# Altium PCB MCC17.PcbDoc (part 5 of 5)
Units mm, origin at the board's own origin, x right, y up, seen from the top; angles counter-clockwise.
Board outline 170 x 100 mm, 2 copper layers (Top Layer, Bottom Layer), stack 1.571 mm thick; 112 components, 68 nets, 349 pads, 74 vias.
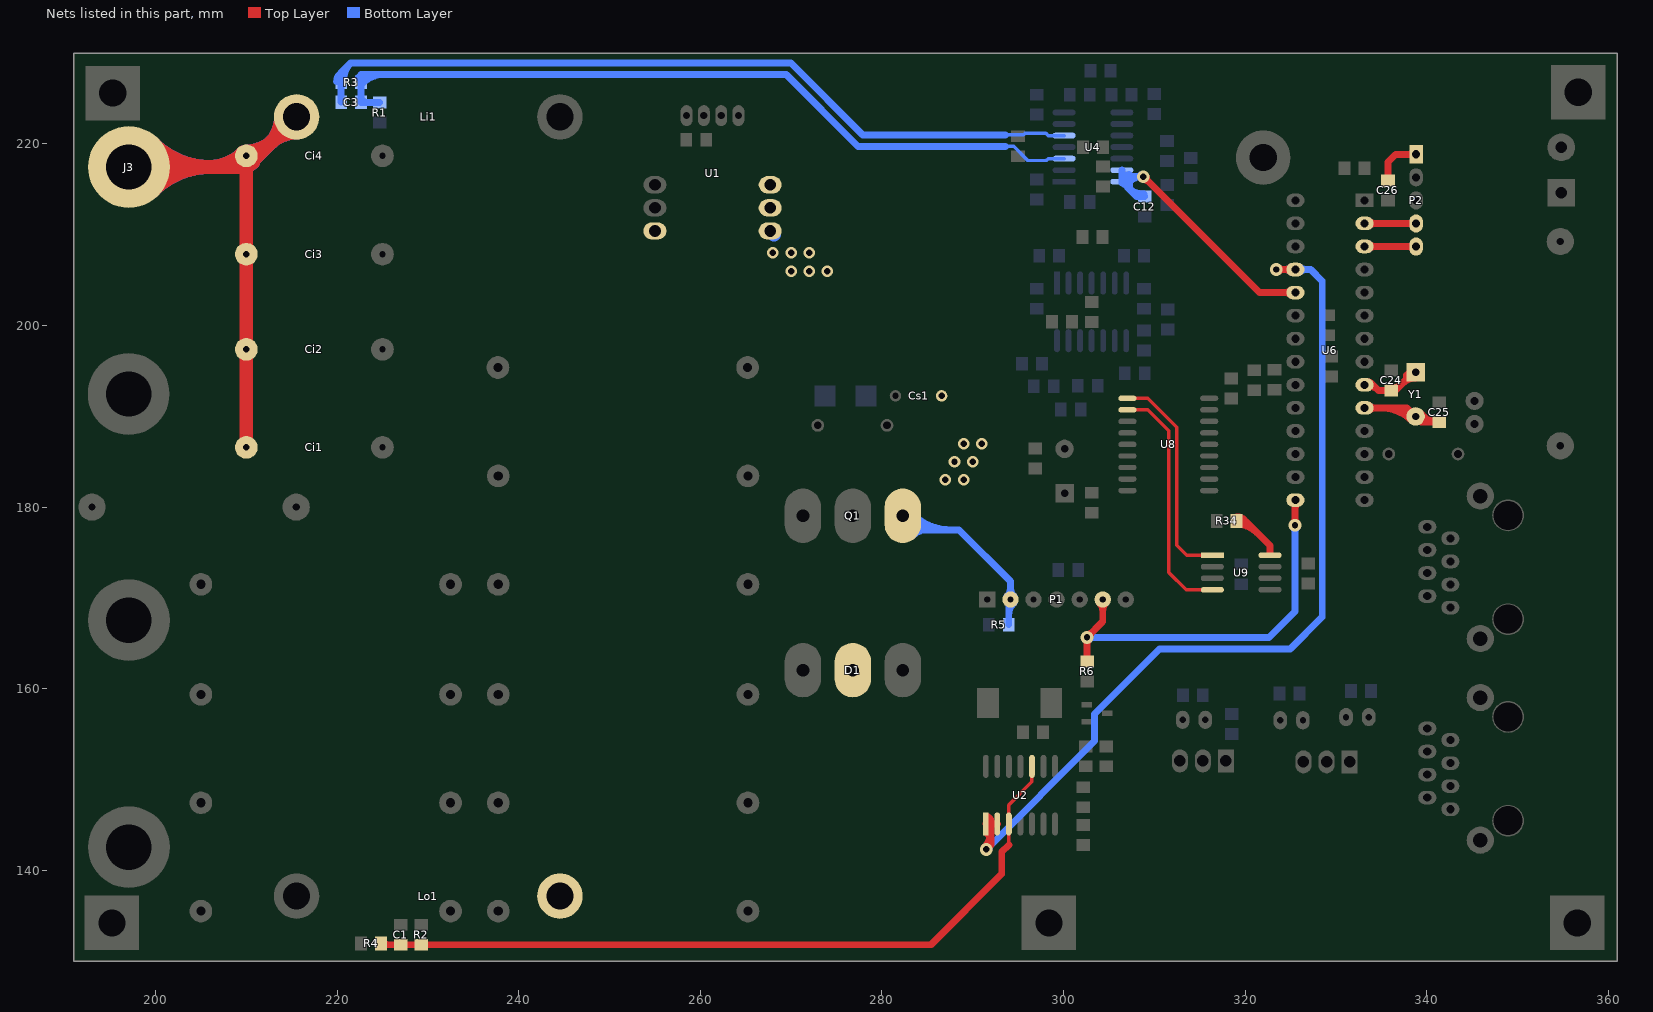
[diagram p5: the nets of this part, all layers, seen from the top]

## Via types
v1: diameter 1.4, hole 0.7, Top Layer to Bottom Layer, 48 vias
v2: diameter 1.27, hole 0.711, Top Layer to Bottom Layer, 24 vias
v3: diameter 5, hole 5, Top Layer to Bottom Layer, 2 vias

## Nets (pads, with @x,y where several pads share a name; then routed paths per layer and width w, separated by ;. In a path a pad name is that pad's centre, name@x,y a point inside that pad or via, vN(x,y) a via of type N, cw(c..) or ccw(c..) an arc to the next point about the centre after c; other vN are vias at no path point) (continued)
NetR34_1: R34.1 U9.8 | length 30.2
  Top Layer w0.381: U9.8@322.749,174.699 U9.8@322.749,175
  Top Layer w0.762: R34.1@319.075,178.475 320.025,178.475 322.749,175.751 U9.8@322.749,175 ; R34.1@318.836,178.806 cw(c319.242,178.073) 319.834,178.666 ; R34.1@318.836,178.806 cw(c319.242,178.073) 319.834,178.666 ; R34.1@318.836,178.806 cw(c319.242,178.073) 319.834,178.666 ; R34.1@318.836,178.806 cw(c319.242,178.073) 319.834,178.666 ; R34.1@319.075,178.106 cw(c319.075,174.922) 321.327,177.173 ; R34.1@319.075,178.106 cw(c319.075,174.922) 321.327,177.173 ; R34.1@319.075,178.106 cw(c319.075,174.922) 321.327,177.173 ; R34.1@319.075,178.106 cw(c319.075,174.922) 321.327,177.173 ; R34.1@319.075,178.868 cw(c319.075,177.523) 320.026,178.474 ; R34.1@319.075,178.868 cw(c319.075,177.523) 320.026,178.474 ; R34.1@319.075,178.868 cw(c319.075,177.523) 320.026,178.474 ; R34.1@319.075,178.868 cw(c319.075,177.523) 320.026,178.474 ; R34.1@319.205,178.14 cw(c319.752,177.152) 320.55,177.95 ; R34.1@319.205,178.14 cw(c319.752,177.152) 320.55,177.95 ; R34.1@319.205,178.14 cw(c319.752,177.152) 320.55,177.95 ; R34.1@319.205,178.14 cw(c319.752,177.152) 320.55,177.95
NetU1_3: U1.3 U1.5 U1.6
PWM: P1.6 R6.1 U6.15 | length 59.2
  Top Layer w0.762: v1@302.374,165.424 cw(c301.83,164.88) 302.6,164.88 cw(c303.37,164.88) v1@302.826,165.424 ; R6.1@302.6,163 v1(302.6,165.65) 304.325,167.375 P1.6@304.325,169.825 ; v1@302.6,165.969 ccw(c302.6,166.739) 303.145,166.195 ccw(c303.689,165.65) v1@302.919,165.65 ; v1@325.274,178.226 ccw(c324.729,178.77) 325.499,178.77 ccw(c326.269,178.77) v1@325.725,178.226 ; U6.15@325.284,180.504 cw(c324.764,179.984) 325.499,179.984 ; v1(325.499,178) 325.499,180.719 U6.15@325.545,180.765 ; 325.499,179.764 cw(c326.546,179.764) U6.15@325.806,180.504 ; P1.6@303.958,169.458 cw(c303.072,168.572) 304.325,168.572 ; P1.6@303.958,169.458 cw(c303.072,168.572) 304.325,168.572 ; P1.6@303.958,169.458 cw(c303.072,168.572) 304.325,168.572 ; P1.6@303.958,169.458 cw(c303.072,168.572) 304.325,168.572 ; 304.325,168.572 cw(c305.578,168.572) P1.6@304.692,169.458 ; 304.325,168.572 cw(c305.578,168.572) P1.6@304.692,169.458 ; 304.325,168.572 cw(c305.578,168.572) P1.6@304.692,169.458 ; 304.325,168.572 cw(c305.578,168.572) P1.6@304.692,169.458
  Bottom Layer w0.762: v1(302.6,165.65) 322.65,165.65 325.499,168.499 v1(325.499,178) ; v1@302.826,165.424 cw(c303.37,164.88) 303.37,165.65 cw(c303.37,166.42) v1@302.826,165.876 ; v1@325.274,177.774 cw(c324.729,177.23) 325.499,177.23 cw(c326.269,177.23) v1@325.725,177.774
RXCAN: U8.2 U9.4 | length 26.7
  Top Layer w0.381: U8.2@307.051,190.711 309.3,190.711 311.6,188.411 311.6,172.8 313.511,170.889 U9.4@316.399,170.889
SOURCE: Cs1.1 D1.2 Lo1.1 P1.2 Q1.3 R5.1 U1.4 | length 70.8
  Bottom Layer w0.762: Q1.3@282.304,179.042 283.846,177.5 288.5,177.5 294.165,171.835 P1.2@294.165,169.825 ; R5.1@293.975,167.05 P1.2@293.975,169.635 ; Q1.3@282.91,178.648 ccw(c285.681,181.419) 285.681,177.5 ; Q1.3@282.91,178.648 ccw(c285.681,181.419) 285.681,177.5 ; Q1.3@282.91,178.648 ccw(c285.681,181.419) 285.681,177.5 ; Q1.3@282.91,178.648 ccw(c285.681,181.419) 285.681,177.5 ; Q1.3@283.449,176.897 cw(c284.904,175.442) 284.904,177.5 ; Q1.3@283.449,176.897 cw(c284.904,175.442) 284.904,177.5 ; Q1.3@283.449,176.897 cw(c284.904,175.442) 284.904,177.5 ; Q1.3@283.449,176.897 cw(c284.904,175.442) 284.904,177.5 ; Q1.3@283.449,179.187 ccw(c287.521,183.259) 287.521,177.5 ; Q1.3@283.449,179.187 ccw(c287.521,183.259) 287.521,177.5 ; Q1.3@283.449,179.187 ccw(c287.521,183.259) 287.521,177.5 ; Q1.3@283.449,179.187 ccw(c287.521,183.259) 287.521,177.5 ; P1.2@293.798,170.192 ccw(c292.912,171.078) 294.165,171.078 ; P1.2@293.798,170.192 ccw(c292.912,171.078) 294.165,171.078 ; P1.2@293.798,170.192 ccw(c292.912,171.078) 294.165,171.078 ; P1.2@293.798,170.192 ccw(c292.912,171.078) 294.165,171.078 ; 293.975,168.113 cw(c295.877,168.113) P1.2@294.532,169.458 ; 293.975,168.113 cw(c295.877,168.113) P1.2@294.532,169.458 ; 293.975,168.113 cw(c295.877,168.113) P1.2@294.532,169.458 ; 293.975,168.113 cw(c295.877,168.113) P1.2@294.532,169.458 ; 294.165,171.078 ccw(c295.418,171.078) P1.2@294.532,170.192 ; 294.165,171.078 ccw(c295.418,171.078) P1.2@294.532,170.192 ; 294.165,171.078 ccw(c295.418,171.078) P1.2@294.532,170.192 ; 294.165,171.078 ccw(c295.418,171.078) P1.2@294.532,170.192
  Bottom Layer w1.524: U1.4@267.7,210.42 U1.4@268.12,210
  other v2: 287,183 289,183 288,185 290,185 289,187 291,187 270,206 272,206 274,206 268,208 270,208 272,208
TXCAN: U8.1 U9.1 | length 24.1
  Top Layer w0.381: U8.1@307.051,191.981 309.3,191.981 312.489,188.792 312.489,175.811 313.601,174.699 U9.1@316.399,174.699
USART_RTS: C26.2 P2.1 | length 11.1
  Top Layer w0.762: C26.2@335.74,215.975 335.74,218 336.595,218.855 P2.1@338.84,218.855 ; 337.949,218.855 cw(c337.949,217.964) P2.1@338.579,218.594 ; 337.949,218.855 ccw(c337.949,219.746) P2.1@338.579,219.116 ; 337.949,218.855 cw(c337.949,217.964) P2.1@338.579,218.594 ; 337.949,218.855 ccw(c337.949,219.746) P2.1@338.579,219.116 ; 337.949,218.855 ccw(c337.949,219.746) P2.1@338.579,219.116 ; 337.949,218.855 cw(c337.949,217.964) P2.1@338.579,218.594 ; 337.949,218.855 ccw(c337.949,219.746) P2.1@338.579,219.116 ; 337.949,218.855 cw(c337.949,217.964) P2.1@338.579,218.594
USART_RX: P2.4 U6.2 | length 16.9
  Top Layer w0.381: P2.4@338.83,211.245 P2.4@338.84,211.235
  Top Layer w0.762: U6.2@333.165,211.245 P2.4@338.83,211.245 ; U6.2@333.676,210.984 cw(c334.306,210.354) 334.306,211.245 cw(c334.306,212.136) U6.2@333.676,211.506 ; U6.2@333.426,210.984 cw(c334.056,210.354) U6.2@334.056,211.245 ; U6.2@333.426,210.984 cw(c334.056,210.354) U6.2@334.056,211.245 ; U6.2@333.426,210.984 cw(c334.056,210.354) U6.2@334.056,211.245 ; U6.2@333.426,211.506 ccw(c334.056,212.136) U6.2@334.056,211.245 ; U6.2@333.426,211.506 ccw(c334.056,212.136) U6.2@334.056,211.245 ; U6.2@333.426,211.506 ccw(c334.056,212.136) U6.2@334.056,211.245 ; 337.925,211.245 cw(c337.925,210.32) P2.4@338.579,210.974 ; 337.925,211.245 cw(c337.925,210.32) P2.4@338.579,210.974 ; 337.925,211.245 cw(c337.925,210.32) P2.4@338.579,210.974 ; 337.925,211.245 cw(c337.925,210.32) P2.4@338.579,210.974 ; 337.973,211.245 ccw(c337.973,212.102) P2.4@338.579,211.496 ; 337.973,211.245 ccw(c337.973,212.102) P2.4@338.579,211.496 ; 337.973,211.245 ccw(c337.973,212.102) P2.4@338.579,211.496 ; 337.973,211.245 ccw(c337.973,212.102) P2.4@338.579,211.496
USART_TX: P2.5 U6.3 | length 16.9
  Top Layer w0.381: P2.5@338.83,208.705 P2.5@338.84,208.695
  Top Layer w0.762: U6.3@333.165,208.705 P2.5@338.83,208.705 ; U6.3@333.676,208.444 cw(c334.306,207.814) 334.306,208.705 cw(c334.306,209.596) U6.3@333.676,208.966 ; U6.3@333.426,208.444 cw(c334.056,207.814) U6.3@334.056,208.705 ; U6.3@333.426,208.444 cw(c334.056,207.814) U6.3@334.056,208.705 ; U6.3@333.426,208.444 cw(c334.056,207.814) U6.3@334.056,208.705 ; U6.3@333.426,208.966 ccw(c334.056,209.596) U6.3@334.056,208.705 ; U6.3@333.426,208.966 ccw(c334.056,209.596) U6.3@334.056,208.705 ; U6.3@333.426,208.966 ccw(c334.056,209.596) U6.3@334.056,208.705 ; 337.925,208.705 cw(c337.925,207.78) P2.5@338.579,208.434 ; 337.925,208.705 cw(c337.925,207.78) P2.5@338.579,208.434 ; 337.925,208.705 cw(c337.925,207.78) P2.5@338.579,208.434 ; 337.925,208.705 cw(c337.925,207.78) P2.5@338.579,208.434 ; 337.973,208.705 ccw(c337.973,209.562) P2.5@338.579,208.956 ; 337.973,208.705 ccw(c337.973,209.562) P2.5@338.579,208.956 ; 337.973,208.705 ccw(c337.973,209.562) P2.5@338.579,208.956 ; 337.973,208.705 ccw(c337.973,209.562) P2.5@338.579,208.956
VBAT: U2.1 U2.2 U6.25 | length 138
  Top Layer w0.762: v1@291.274,142.526 ccw(c289.524,144.276) 291.999,144.276 ; U2.1@291.45,145.1 291.999,145.1 ; v1(291.5,142.3) 291.999,142.799 291.999,145.1 ; U2.2@292.72,145.1 291.999,145.1 ; v1(323.435,206.165) U6.25@325.435,206.165 ; v1@323.661,205.939 cw(c324.205,205.395) 324.205,206.165 cw(c324.205,206.935) v1@323.661,206.391 ; U6.25@325.034,205.904 ccw(c324.404,205.274) 324.404,206.165 ccw(c324.404,207.056) U6.25@325.034,206.426 ; v1@291.32,142.48 ccw(c289.681,144.119) 291.999,144.119 ; v1@291.32,142.48 ccw(c289.681,144.119) 291.999,144.119 ; v1@291.32,142.48 ccw(c289.681,144.119) 291.999,144.119 ; U2.1@291.458,145.163 cw(c291.382,144.551) 291.999,144.551 ; U2.1@291.458,145.163 cw(c291.382,144.551) 291.999,144.551 ; U2.1@291.458,145.163 cw(c291.382,144.551) 291.999,144.551 ; U2.1@291.458,145.163 cw(c291.382,144.551) 291.999,144.551 ; U2.1@291.495,144.192 cw(c290.277,142.974) 291.999,142.974 ; U2.1@291.495,144.192 cw(c290.277,142.974) 291.999,142.974 ; U2.1@291.495,144.192 cw(c290.277,142.974) 291.999,142.974 ; U2.1@291.495,144.192 cw(c290.277,142.974) 291.999,142.974 ; U2.1@291.551,145.919 cw(c291.488,145.412) 291.999,145.412 ; U2.1@291.551,145.919 cw(c291.488,145.412) 291.999,145.412 ; U2.1@291.551,145.919 cw(c291.488,145.412) 291.999,145.412 ; U2.1@291.551,145.919 cw(c291.488,145.412) 291.999,145.412 ; U6.25@324.654,206.165 cw(c324.654,205.274) U6.25@325.284,205.904 ; U6.25@324.654,206.165 ccw(c324.654,207.056) U6.25@325.284,206.426 ; U6.25@324.654,206.165 ccw(c324.654,207.056) U6.25@325.284,206.426 ; U6.25@324.654,206.165 cw(c324.654,205.274) U6.25@325.284,205.904 ; U6.25@324.654,206.165 ccw(c324.654,207.056) U6.25@325.284,206.426 ; U6.25@324.654,206.165 cw(c324.654,205.274) U6.25@325.284,205.904
  Bottom Layer w0.762: v1(291.5,142.3) 303.43,154.23 303.43,157.226 310.584,164.38 324.98,164.38 328.5,167.9 328.5,204.9 327.235,206.165 U6.25@325.545,206.165 v1(323.435,206.165) ; v1@291.5,142.619 ccw(c291.5,143.389) 292.045,142.845 ccw(c292.589,142.3) v1@291.819,142.3 ; v1@323.661,205.939 cw(c324.205,205.395) 324.205,206.165 cw(c324.205,206.935) v1@323.661,206.391 ; U6.25@325.034,205.904 ccw(c324.404,205.274) 324.404,206.165 ccw(c324.404,207.056) U6.25@325.034,206.426 ; U6.25@326.056,205.904 cw(c326.686,205.274) 326.686,206.165 cw(c326.686,207.056) U6.25@326.056,206.426 ; U6.25@324.654,206.165 cw(c324.654,205.274) U6.25@325.284,205.904 ; U6.25@324.654,206.165 ccw(c324.654,207.056) U6.25@325.284,206.426 ; U6.25@324.654,206.165 ccw(c324.654,207.056) U6.25@325.284,206.426 ; U6.25@324.654,206.165 cw(c324.654,205.274) U6.25@325.284,205.904 ; U6.25@324.654,206.165 ccw(c324.654,207.056) U6.25@325.284,206.426 ; U6.25@324.654,206.165 cw(c324.654,205.274) U6.25@325.284,205.904 ; U6.25@325.806,205.904 cw(c326.436,205.274) U6.25@326.436,206.165 ; U6.25@325.806,205.904 cw(c326.436,205.274) U6.25@326.436,206.165 ; U6.25@325.806,205.904 cw(c326.436,205.274) U6.25@326.436,206.165 ; U6.25@325.806,206.426 ccw(c326.436,207.056) U6.25@326.436,206.165 ; U6.25@325.806,206.426 ccw(c326.436,207.056) U6.25@326.436,206.165 ; U6.25@325.806,206.426 ccw(c326.436,207.056) U6.25@326.436,206.165
VBAT_SIG: C1.1 R2.1 R4.2 U2.3 U2.10 | length 87.1
  Top Layer w0.381: 293.99,142.79 U2.3@293.99,145.1 293.99,147.19 296.53,149.73 U2.10@296.53,151.45
  Top Layer w0.762: R4.2@224.987,131.8 C1.1@227,131.8 R2.1@229.25,131.8 285,131.8 285.4,131.8 293.2,139.6 293.2,142 293.99,142.79 ; R4.2@225.04,132.028 ccw(c225.59,132.577) 225.59,131.8 ; R4.2@225.04,132.028 ccw(c225.59,132.577) 225.59,131.8 ; R4.2@225.04,132.028 ccw(c225.59,132.577) 225.59,131.8 ; R4.2@225.04,132.028 ccw(c225.59,132.577) 225.59,131.8
VPANEL: C12.1 U4.13 U4.14 U6.24 | length 63.4
  Top Layer w0.762: v1@308.8,216.081 cw(c308.8,215.31) 309.344,215.855 cw(c309.889,216.4) v1@309.119,216.4 ; v1(308.8,216.4) 321.574,203.625 U6.24@325.545,203.625 ; U6.24@325.034,203.364 ccw(c324.404,202.734) 324.404,203.625 ccw(c324.404,204.516) U6.24@325.034,203.886 ; U6.24@324.654,203.625 cw(c324.654,202.734) U6.24@325.284,203.364 ; U6.24@324.654,203.625 ccw(c324.654,204.516) U6.24@325.284,203.886 ; U6.24@324.654,203.625 ccw(c324.654,204.516) U6.24@325.284,203.886 ; U6.24@324.654,203.625 cw(c324.654,202.734) U6.24@325.284,203.364 ; U6.24@324.654,203.625 ccw(c324.654,204.516) U6.24@325.284,203.886 ; U6.24@324.654,203.625 cw(c324.654,202.734) U6.24@325.284,203.364
  Bottom Layer w0.762: U4.13@306.425,217.11 306.425,216.4 ; v1@308.574,216.174 ccw(c308.029,215.629) 308.029,216.4 ccw(c308.029,217.17) v1@308.574,216.625 ; v1(308.8,216.4) 306.425,216.4 ; C12.1@308.95,214.2 308.065,214.2 U4.14@306.425,215.84 306.425,216.4 ; U4.14@306.425,215.682 cw(c307.412,215.682) 307.201,216.646 ; U4.14@306.425,215.682 cw(c307.412,215.682) 307.201,216.646 ; U4.14@306.425,215.682 cw(c307.412,215.682) 307.201,216.646 ; U4.14@306.425,215.682 cw(c307.412,215.682) 307.201,216.646 ; U4.14@306.598,216.112 ccw(c307.123,215.929) U4.14@306.73,215.535 ; U4.14@306.598,216.112 ccw(c307.123,215.929) U4.14@306.73,215.535 ; U4.14@306.598,216.112 ccw(c307.123,215.929) U4.14@306.73,215.535 ; U4.14@306.598,216.112 ccw(c307.123,215.929) U4.14@306.73,215.535 ; 307.051,215.214 ccw(c308.85,217.014) C12.1@308.85,214.469 ; 307.051,215.214 ccw(c308.85,217.014) C12.1@308.85,214.469 ; 307.051,215.214 ccw(c308.85,217.014) C12.1@308.85,214.469 ; 307.051,215.214 ccw(c308.85,217.014) C12.1@308.85,214.469 ; U4.14@307.318,215.861 ccw(c308.397,215.485) 307.589,214.676 ; U4.14@307.318,215.861 ccw(c308.397,215.485) 307.589,214.676 ; U4.14@307.318,215.861 ccw(c308.397,215.485) 307.589,214.676 ; U4.14@307.318,215.861 ccw(c308.397,215.485) 307.589,214.676 ; U4.14@307.333,215.885 cw(c308.575,214.642) v1@308.575,216.4 ; U4.14@307.333,215.885 cw(c308.575,214.642) v1@308.575,216.4 ; U4.14@307.333,215.885 cw(c308.575,214.642) v1@308.575,216.4 ; U4.14@307.333,215.885 cw(c308.575,214.642) v1@308.575,216.4
VPANEL_REF: C3.1 Ci1.1 Ci2.1 Ci3.1 Ci4.1 J3.1 Li1.1 R3.1 U4.5 | length 477.3
  Top Layer w1.524: J3.1@197.075,217.456 Ci4.1@210,217.456 ; Ci1.1@210,186.581 Ci2.1@210,197.376 Ci3.1@210,207.852 Ci4.1@210,217.456 ; Ci4.1@210,218.692 Ci4.1@210,217.456 ; Li1.1@215.544,222.98 210.628,218.064 210.02,217.456 Ci4.1@210,217.456 ; J3.1@198.641,215.89 cw(c202.42,212.111) 202.42,217.456 ; J3.1@198.641,215.89 cw(c202.42,212.111) 202.42,217.456 ; J3.1@198.641,215.89 cw(c202.42,212.111) 202.42,217.456 ; J3.1@198.641,215.89 cw(c202.42,212.111) 202.42,217.456 ; J3.1@198.641,219.022 ccw(c202.42,222.801) 202.42,217.456 ; J3.1@198.641,219.022 ccw(c202.42,222.801) 202.42,217.456 ; J3.1@198.641,219.022 ccw(c202.42,222.801) 202.42,217.456 ; J3.1@198.641,219.022 ccw(c202.42,222.801) 202.42,217.456 ; J3.1@199.719,214.813 cw(c206.1,208.432) 206.1,217.456 ; J3.1@199.719,214.813 cw(c206.1,208.432) 206.1,217.456 ; J3.1@199.719,214.813 cw(c206.1,208.432) 206.1,217.456 ; J3.1@199.719,214.813 cw(c206.1,208.432) 206.1,217.456 ; J3.1@199.719,220.099 ccw(c206.1,226.48) 206.1,217.456 ; J3.1@199.719,220.099 ccw(c206.1,226.48) 206.1,217.456 ; J3.1@199.719,220.099 ccw(c206.1,226.48) 206.1,217.456 ; J3.1@199.719,220.099 ccw(c206.1,226.48) 206.1,217.456 ; 205.838,217.456 ccw(c205.838,222.854) Ci4.1@209.655,219.037 ; 205.838,217.456 ccw(c205.838,222.854) Ci4.1@209.655,219.037 ; 205.838,217.456 ccw(c205.838,222.854) Ci4.1@209.655,219.037 ; 205.838,217.456 ccw(c205.838,222.854) Ci4.1@209.655,219.037 ; 209.517,217.456 ccw(c209.517,219.175) Ci4.1@210.733,217.959 ; 209.517,217.456 ccw(c209.517,219.175) Ci4.1@210.733,217.959 ; 209.517,217.456 ccw(c209.517,219.175) Ci4.1@210.733,217.959 ; 209.517,217.456 ccw(c209.517,219.175) Ci4.1@210.733,217.959 ; Ci4.1@210,219.18 ccw(c210,223.39) 212.977,220.413 ; Ci4.1@210,219.18 ccw(c210,223.39) 212.977,220.413 ; Ci4.1@210,219.18 ccw(c210,223.39) 212.977,220.413 ; Ci4.1@210,219.18 ccw(c210,223.39) 212.977,220.413 ; 212.577,220.013 cw(c215.544,217.046) Li1.1@215.544,221.242 ; 212.577,220.013 ccw(c209.61,222.98) Li1.1@213.806,222.98 ; 212.577,220.013 cw(c215.544,217.046) Li1.1@215.544,221.242 ; 212.577,220.013 ccw(c209.61,222.98) Li1.1@213.806,222.98 ; 212.577,220.013 ccw(c209.61,222.98) Li1.1@213.806,222.98 ; 212.577,220.013 cw(c215.544,217.046) Li1.1@215.544,221.242 ; 212.577,220.013 ccw(c209.61,222.98) Li1.1@213.806,222.98 ; 212.577,220.013 cw(c215.544,217.046) Li1.1@215.544,221.242
  Bottom Layer w0.381: R3.1@220.45,226.612 R3.1@220.45,226.8 ; 293.6,221 295.6,221 295.776,221.176 298.074,221.176 298.33,220.92 U4.5@300.075,220.92
  Bottom Layer w0.762: C3.1@220.45,224.6 R3.1@220.45,226.8 220.45,227.85 221.5,228.9 ; 293.6,221 277.896,221 269.996,228.9 221.5,228.9 ; R3.1@219.957,226.882 cw(c221.009,226.921) 220.265,227.665 ; R3.1@219.957,226.882 cw(c221.009,226.921) 220.265,227.665 ; R3.1@219.957,226.882 cw(c221.009,226.921) 220.265,227.665 ; R3.1@219.957,226.882 cw(c221.009,226.921) 220.265,227.665 ; R3.1@220.719,226.91 cw(c223.39,227.01) 221.5,228.9 ; R3.1@220.719,226.91 cw(c223.39,227.01) 221.5,228.9 ; R3.1@220.719,226.91 cw(c223.39,227.01) 221.5,228.9 ; R3.1@220.719,226.91 cw(c223.39,227.01) 221.5,228.9
  Bottom Layer w1.524: J3.1@197.075,217.456 210,217.456 210.02,217.456 210.628,218.064 Li1.1@215.544,222.98 ; J3.1@198.641,215.89 cw(c202.42,212.111) 202.42,217.456 ; J3.1@198.641,215.89 cw(c202.42,212.111) 202.42,217.456 ; J3.1@198.641,215.89 cw(c202.42,212.111) 202.42,217.456 ; J3.1@198.641,215.89 cw(c202.42,212.111) 202.42,217.456 ; J3.1@198.641,219.022 ccw(c202.42,222.801) 202.42,217.456 ; J3.1@198.641,219.022 ccw(c202.42,222.801) 202.42,217.456 ; J3.1@198.641,219.022 ccw(c202.42,222.801) 202.42,217.456 ; J3.1@198.641,219.022 ccw(c202.42,222.801) 202.42,217.456 ; J3.1@199.719,214.813 cw(c206.1,208.432) 206.1,217.456 ; J3.1@199.719,214.813 cw(c206.1,208.432) 206.1,217.456 ; J3.1@199.719,214.813 cw(c206.1,208.432) 206.1,217.456 ; J3.1@199.719,214.813 cw(c206.1,208.432) 206.1,217.456 ; J3.1@199.719,220.099 ccw(c206.1,226.48) 206.1,217.456 ; J3.1@199.719,220.099 ccw(c206.1,226.48) 206.1,217.456 ; J3.1@199.719,220.099 ccw(c206.1,226.48) 206.1,217.456 ; J3.1@199.719,220.099 ccw(c206.1,226.48) 206.1,217.456 ; 205.838,217.456 ccw(c205.838,222.854) Ci4.1@209.655,219.037 ; 205.838,217.456 ccw(c205.838,222.854) Ci4.1@209.655,219.037 ; 205.838,217.456 ccw(c205.838,222.854) Ci4.1@209.655,219.037 ; 205.838,217.456 ccw(c205.838,222.854) Ci4.1@209.655,219.037 ; 209.517,217.456 ccw(c209.517,219.175) Ci4.1@210.733,217.959 ; 209.517,217.456 ccw(c209.517,219.175) Ci4.1@210.733,217.959 ; 209.517,217.456 ccw(c209.517,219.175) Ci4.1@210.733,217.959 ; 209.517,217.456 ccw(c209.517,219.175) Ci4.1@210.733,217.959 ; Ci4.1@210,219.18 ccw(c210,223.39) 212.977,220.413 ; Ci4.1@210,219.18 ccw(c210,223.39) 212.977,220.413 ; Ci4.1@210,219.18 ccw(c210,223.39) 212.977,220.413 ; Ci4.1@210,219.18 ccw(c210,223.39) 212.977,220.413 ; 212.577,220.013 cw(c215.544,217.046) Li1.1@215.544,221.242 ; 212.577,220.013 ccw(c209.61,222.98) Li1.1@213.806,222.98 ; 212.577,220.013 cw(c215.544,217.046) Li1.1@215.544,221.242 ; 212.577,220.013 ccw(c209.61,222.98) Li1.1@213.806,222.98 ; 212.577,220.013 ccw(c209.61,222.98) Li1.1@213.806,222.98 ; 212.577,220.013 cw(c215.544,217.046) Li1.1@215.544,221.242 ; 212.577,220.013 ccw(c209.61,222.98) Li1.1@213.806,222.98 ; 212.577,220.013 cw(c215.544,217.046) Li1.1@215.544,221.242
VPANEL_SIG: C3.2 R1.1 R3.2 U4.3 | length 102.8
  Bottom Layer w0.381: R3.2@222.65,227 222.65,227.63 ; 293.6,219.73 294.52,219.73 296.075,218.175 298.125,218.175 298.33,218.38 U4.3@300.075,218.38
  Bottom Layer w0.762: C3.2@222.65,224.55 R1.1@224.7,224.55 ; C3.2@222.65,224.6 R3.2@222.65,226.8 ; 222.65,227.63 269.47,227.63 277.37,219.73 293.6,219.73 ; R3.2@222.301,227.249 cw(c223.222,226.328) 223.222,227.63 ; R3.2@222.301,227.249 cw(c223.222,226.328) 223.222,227.63 ; R3.2@222.301,227.249 cw(c223.222,226.328) 223.222,227.63 ; R3.2@222.301,227.249 cw(c223.222,226.328) 223.222,227.63 ; C3.2@222.84,224.79 ccw(c223.42,225.37) 223.42,224.55 ; C3.2@222.84,224.79 ccw(c223.42,225.37) 223.42,224.55 ; C3.2@222.84,224.79 ccw(c223.42,225.37) 223.42,224.55 ; C3.2@222.84,224.79 ccw(c223.42,225.37) 223.42,224.55 ; R3.2@222.84,226.71 cw(c225.062,224.488) 225.062,227.63 ; R3.2@222.84,226.71 cw(c225.062,224.488) 225.062,227.63 ; R3.2@222.84,226.71 cw(c225.062,224.488) 225.062,227.63 ; R3.2@222.84,226.71 cw(c225.062,224.488) 225.062,227.63
XTAL1: C24.2 U6.9 Y1.1 | length 32.2
  Top Layer w0.381: Y1.1@338.663,194.737 Y1.1@338.79,194.865
  Top Layer w0.762: U6.9@333.165,193.465 334.075,193.465 334.69,192.85 C24.2@336.115,192.85 336.572,192.85 337.754,194.032 337.754,194.489 338.003,194.737 Y1.1@338.663,194.737 ; U6.9@333.129,193.856 cw(c333.229,192.775) U6.9@333.997,193.543 ; U6.9@333.129,193.856 cw(c333.229,192.775) U6.9@333.997,193.543 ; U6.9@333.129,193.856 cw(c333.229,192.775) U6.9@333.997,193.543 ; U6.9@333.357,193.15 cw(c333.855,192.335) 334.53,193.01 ; U6.9@333.357,193.15 cw(c333.855,192.335) 334.53,193.01 ; U6.9@333.357,193.15 cw(c333.855,192.335) 334.53,193.01 ; U6.9@333.426,193.204 cw(c334.056,192.574) U6.9@334.056,193.465 ; U6.9@333.426,193.204 cw(c334.056,192.574) U6.9@334.056,193.465 ; U6.9@333.426,193.204 cw(c334.056,192.574) U6.9@334.056,193.465 ; U6.9@333.426,193.726 ccw(c334.056,194.356) U6.9@334.056,193.465 ; U6.9@333.426,193.726 ccw(c334.056,194.356) U6.9@334.056,193.465 ; U6.9@333.426,193.726 ccw(c334.056,194.356) U6.9@334.056,193.465 ; C24.2@336.215,193.119 ccw(c336.215,194.631) 337.284,193.562 ; C24.2@336.215,193.119 ccw(c336.215,194.631) 337.284,193.562 ; C24.2@336.215,193.119 ccw(c336.215,194.631) 337.284,193.562 ; C24.2@336.215,193.119 ccw(c336.215,194.631) 337.284,193.562 ; 337.36,193.638 cw(c338.79,192.207) Y1.1@338.79,194.23 ; 337.36,193.638 cw(c338.79,192.207) Y1.1@338.79,194.23 ; 337.36,193.638 cw(c338.79,192.207) Y1.1@338.79,194.23 ; 337.36,193.638 cw(c338.79,192.207) Y1.1@338.79,194.23 ; Y1.1@337.849,194.127 ccw(c337.111,194.865) Y1.1@338.155,194.865 ; Y1.1@337.849,194.127 ccw(c337.111,194.865) Y1.1@338.155,194.865 ; Y1.1@337.849,194.127 ccw(c337.111,194.865) Y1.1@338.155,194.865 ; Y1.1@337.849,194.127 ccw(c337.111,194.865) Y1.1@338.155,194.865
XTAL2: C25.2 U6.10 Y1.2 | length 53.4
  Top Layer w0.762: U6.10@333.165,190.925 337.85,190.925 Y1.2@338.79,189.985 339.425,189.35 C25.2@341.39,189.35 ; U6.10@333.676,190.664 cw(c334.306,190.034) 334.306,190.925 cw(c334.306,191.816) U6.10@333.676,191.186 ; U6.10@333.426,190.664 cw(c334.056,190.034) U6.10@334.056,190.925 ; U6.10@333.426,190.664 cw(c334.056,190.034) U6.10@334.056,190.925 ; U6.10@333.426,190.664 cw(c334.056,190.034) U6.10@334.056,190.925 ; U6.10@333.426,191.186 ccw(c334.056,191.816) U6.10@334.056,190.925 ; U6.10@333.426,191.186 ccw(c334.056,191.816) U6.10@334.056,190.925 ; U6.10@333.426,191.186 ccw(c334.056,191.816) U6.10@334.056,190.925 ; 334.988,190.925 cw(c334.988,186.183) Y1.2@338.341,189.536 ; 334.988,190.925 cw(c334.988,186.183) Y1.2@338.341,189.536 ; 334.988,190.925 cw(c334.988,186.183) Y1.2@338.341,189.536 ; 334.988,190.925 cw(c334.988,186.183) Y1.2@338.341,189.536 ; 336.827,190.925 cw(c336.827,188.022) Y1.2@338.88,190.075 ; 336.827,190.925 cw(c336.827,188.022) Y1.2@338.88,190.075 ; 336.827,190.925 cw(c336.827,188.022) Y1.2@338.88,190.075 ; 336.827,190.925 cw(c336.827,188.022) Y1.2@338.88,190.075 ; Y1.2@338.69,189.907 ccw(c339.83,190.795) 339.83,189.35 ; Y1.2@338.69,189.907 ccw(c339.83,190.795) 339.83,189.35 ; Y1.2@338.69,189.907 ccw(c339.83,190.795) 339.83,189.35 ; Y1.2@338.69,189.907 ccw(c339.83,190.795) 339.83,189.35 ; Y1.2@339.291,190.375 ccw(c341.39,192.011) C25.2@341.39,189.35 ; Y1.2@339.291,190.375 ccw(c341.39,192.011) C25.2@341.39,189.35 ; Y1.2@339.291,190.375 ccw(c341.39,192.011) C25.2@341.39,189.35 ; Y1.2@339.291,190.375 ccw(c341.39,192.011) C25.2@341.39,189.35
pads on no net: J5.6 J6.6 P1.3 P2.3 U1.10 U2.7 U2.14 U6.6 U6.11 U6.13 U6.21 U6.26 U6.27 U6.28 U8.3 U8.4 U8.5 U8.6 U8.10 U8.11 U9.5
copper on no net:
  other v3: 276.804,142.542 276.804,198.542

## Polygon pours and split planes (outlines as drawn)
CAN_GND on Bottom Layer "Bottom Layer-GND" (solid, remove dead copper, pour order 1001): 273.2,230.1 273.2,211 274.4,209.8 288.4,209.8 292.1,209.8 294.2,207.7 294.2,184 294.2,183.7 288.1,177.6 287.7,177.2 287.7,167.2 286.1,165.6 285.7,165.2 285.7,143.6 285.7,142.5 281.2,138 280.7,137.5 274,137.5 270.9,137.5 269.3,135.9 268.5,135.1 268.5,130.1 361,130.1 361.2,129.9 361.1,130 361.1,230.1
CAN_GND on Top Layer "Bottom Layer-GND" (solid, remove dead copper, pour order 1000): 273.2,230 273.2,210.9 274.4,209.7 288.4,209.7 292.1,209.7 294.2,207.6 294.2,183.9 294.2,183.6 288.1,177.5 287.7,177.1 287.7,167.1 286.1,165.5 285.7,165.1 285.7,143.5 285.7,142.4 281.2,137.9 280.7,137.4 274,137.4 270.9,137.4 269.3,135.8 268.5,135 268.5,130 361,130 361.2,129.8 361.1,129.9 361.1,230

## Other copper
Top Layer:
  rectangle net CAN_GND: 307,130 333.3,149
  region net SOURCE: 275,161 275,171 278,174 279,174 281,176 281,186 283,188 283,201 280.25,203.75 270.25,203.75 265,209 265,210 266,211 270.75,211 273,208.75 291.25,208.75 293,207 293,185 287,179 287,172 282,167 280,167 278,165 278,161
  region net NetLi1_2: 240,225 240,221 249,212 257,212 257,220 253,224 251,226 241,226
  region net NetU1_3: 254,211 254,209 255,208 261,208 266,213 270,213 271,214 271,217 269.5,218.5 265.5,218.5 265,218 261,218 259,216 259,212 258,211
  region net NetF1_2: 192,179 192,201 194,203 200,203 202,201 202,180 200,178 193,178
  region net VPANEL_REF: 192,220.4 193.6,222 208,222 213,227 220,227 220,221 217,218 217,189 212,184 208,184 206,186 206,205 202,209 194,209 192,211
  region net +VBAT: 192,139.8 192,150 194,152 210,152 231,173 233,173 234,172 234,156 225,147 225,136 222,133 203.7,133 198.9,137.8 194,137.8
  region net +VPANEL: 212,181 219,188 219,217 224,222 236,222 251,207 264,207 270,201 270,197 279,188 279,182 278,181 278,178 276,178 276,181 273,184 269,184 267,182 267,177 267,163 267,135 266,134 256,134 254,136 254,189 242,201 234,201 231,198 231,189 218,176 214,176 212,178
  region net CAN_GND: 192,172 194,174 219,174 233,188 233,197 235,199 240,199 252,187 252,149 248,145 246.2,145 239,137.8 239,134.8 238.1,133.9 231.1,133.9 230,135 230,149 236,155 236,173 234,175 230,175 212,157 194,157 192,159
Bottom Layer:
  rectangle net CAN_GND: 307,130 333.3,149
  region net SOURCE: 277,162 278,162 278,159 283.997,153.003 284.02,132.02 283,131 243,131 241,133 241,140 244,143 252,143 262,133 267,133 269,135 269,153 275,159 275,162 277,162 277,146 275,146 273,144 273,141 275,139 278,139 280,141 280,144 278,146 277,146
  region net SOURCE: 244,143 255,154 270,154 273,157 273,142 267,142 267,145 268,146 268,148 266,150 264,150 263,149 263,146 264,145 267,145 267,142 253,142 252,143
  region net SOURCE: 252,143 267,143 269,145 270,145 270,135 267,138 264,138 262,136 262,134 263,133 262,133
  region net NetLi1_2: 240,225 240,221 249,212 257,212 257,220 251,226 241,226
  region net NetU1_3: 254,211 254,209 255,208 261,208 266,213 270,213 271,214 271,217 269,219 266,219 265,218 261,218 259,216 259,212 258,211
  region net NetF1_2: 192,179 192,201 194,203 200,203 202,201 202,180 200,178 193,178
  region net SOURCE: 265,209 265,210 266,211 270.641,211 273.031,208.75 291.25,208.75 292,208 292,184 285,177 281,177 281,186 283,188 283,201 280.25,203.75 270.25,203.75
  region net +VPANEL: 219,188 219,217 224,222 236,222 251,207 264,207 270,201 270,197 272,195 240,195 240,197 239,198 236,198 235,197 235,195 226,195
  region net +VPANEL: 213,177 213,180 227,194 236,194 236,193 237,192 240,192 241,193 241,194 273,194 274,193 274,192 279,187 279,182 278,181 278,178 276,178 276,181 273,184 269,184 267,182 267,171 266,170 265,170 264,171 264,172 250,187 231,187 219,175 215,175
  region net VPANEL_REF: 193.7,222 208,222 213,227 218,227 220,225 220,221 217,218 217,189 212,184 208,184 206,186 206,205 202,209 194,209 192,211 192,220.3
  region net +VBAT: 192,139.8 192,150 194,152 210,152 231,173 233,173 234,172 234,156 225,147 225,136 222,133 203.7,133 198.9,137.8 194,137.8
  region net CAN_GND: 192,159 192,172 194,174 219,174 231,186 247,186 262,171 262,170 264,168 268.5,168 271.5,172 282,172 287,167 287,160 285,158 283,158 281,160 281,165 279,167 275,167 273,165 273,160 270,160 268,162 261,162 253.945,155.945 243,145 239,141 239,134 238,133 232,133 230,135 230,149 236,155 236,173 234,175 230,175 212,157 194,157

## Silkscreen, mask and mechanical layers (free items; w line width, h text height)
Top Overlay:
  the board outline again, w0.254
  text "---PANEL---" at 174,216 h1.52
  text "+++PANEL+++" at 174,192 h1.52
  text "---BATTERY---" at 172,165 h1.52
  text "+++BATTERY+++" at 171,142 h1.52

## Dimensions
361,230 to 361,130 on Top Overlay
361,230 to 191,230 on Top Overlay

## Text inside footprints (layer, text, board x,y; h text height)
U1: Bottom Overlay "ref" at 264.525,221.088 h1 r90; Bottom Overlay "M" at 262.747,221.088 h1 r90; Bottom Overlay "0" at 260.842,221.088 h1 r90; Bottom Overlay "+" at 259.318,221.088 h1.52 r90; Bottom Overlay "OUT" at 258.556,214.992 h1.52 r90; Bottom Overlay "IN" at 265.541,213.976 h1.52 r90